# Altium PCB Aarons_MnDOT_Board_V1.1.PcbDoc (part 1 of 3)
Units mil, origin at the board's own origin, x right, y up, seen from the top; angles counter-clockwise.
Board outline 4500 x 2200 mil, 4 copper layers (Top Layer, Signal Layer 1, Signal Layer 2, Bottom Layer), stack 30.634 mil thick; 292 components, 149 nets, 764 pads, 182 vias.
Unrouted connection lines stored in the file: 2.
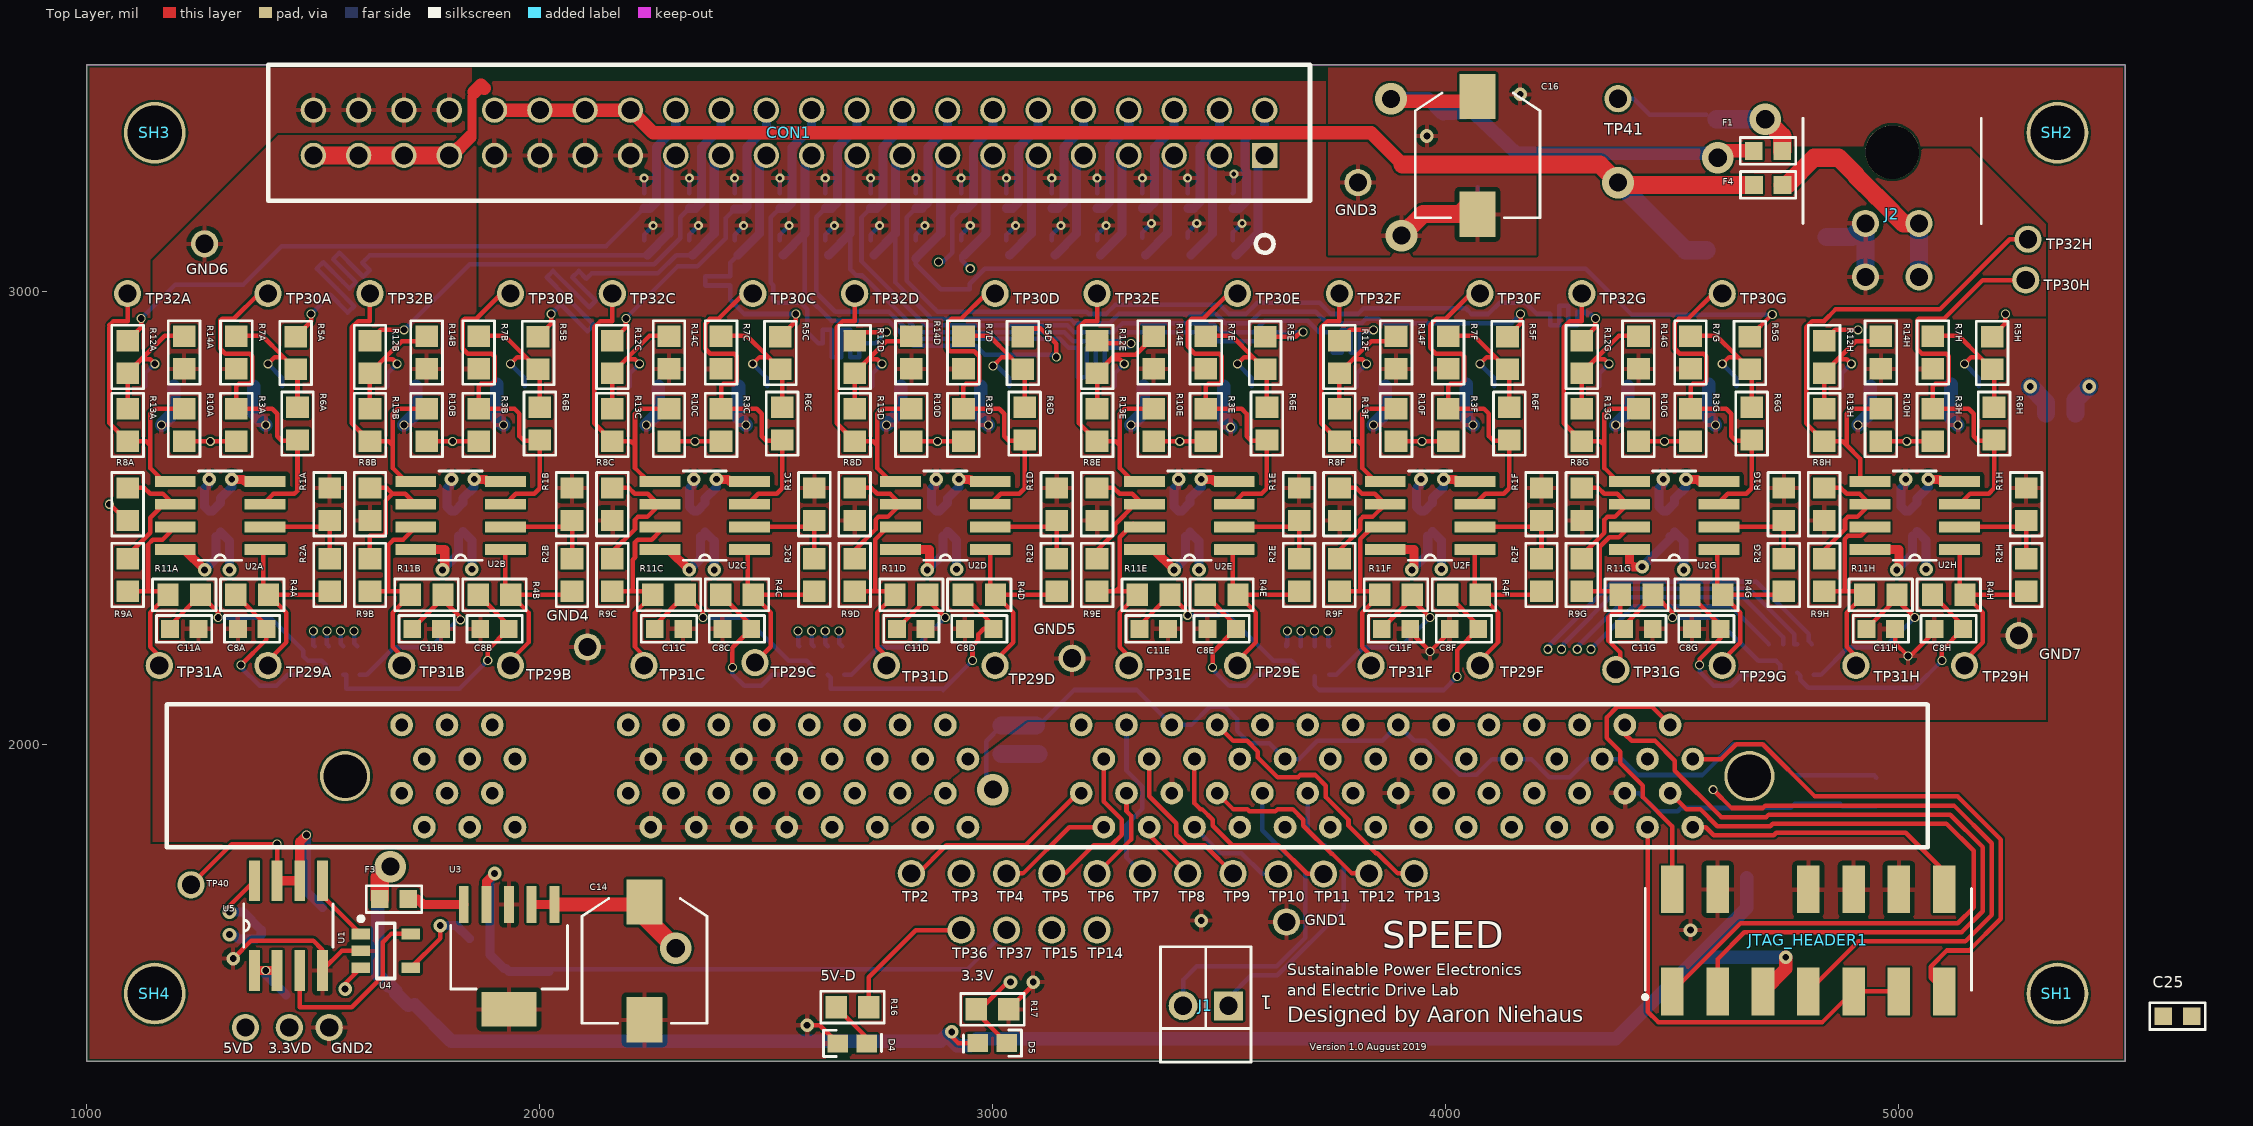
[diagram p0: Top Layer view]
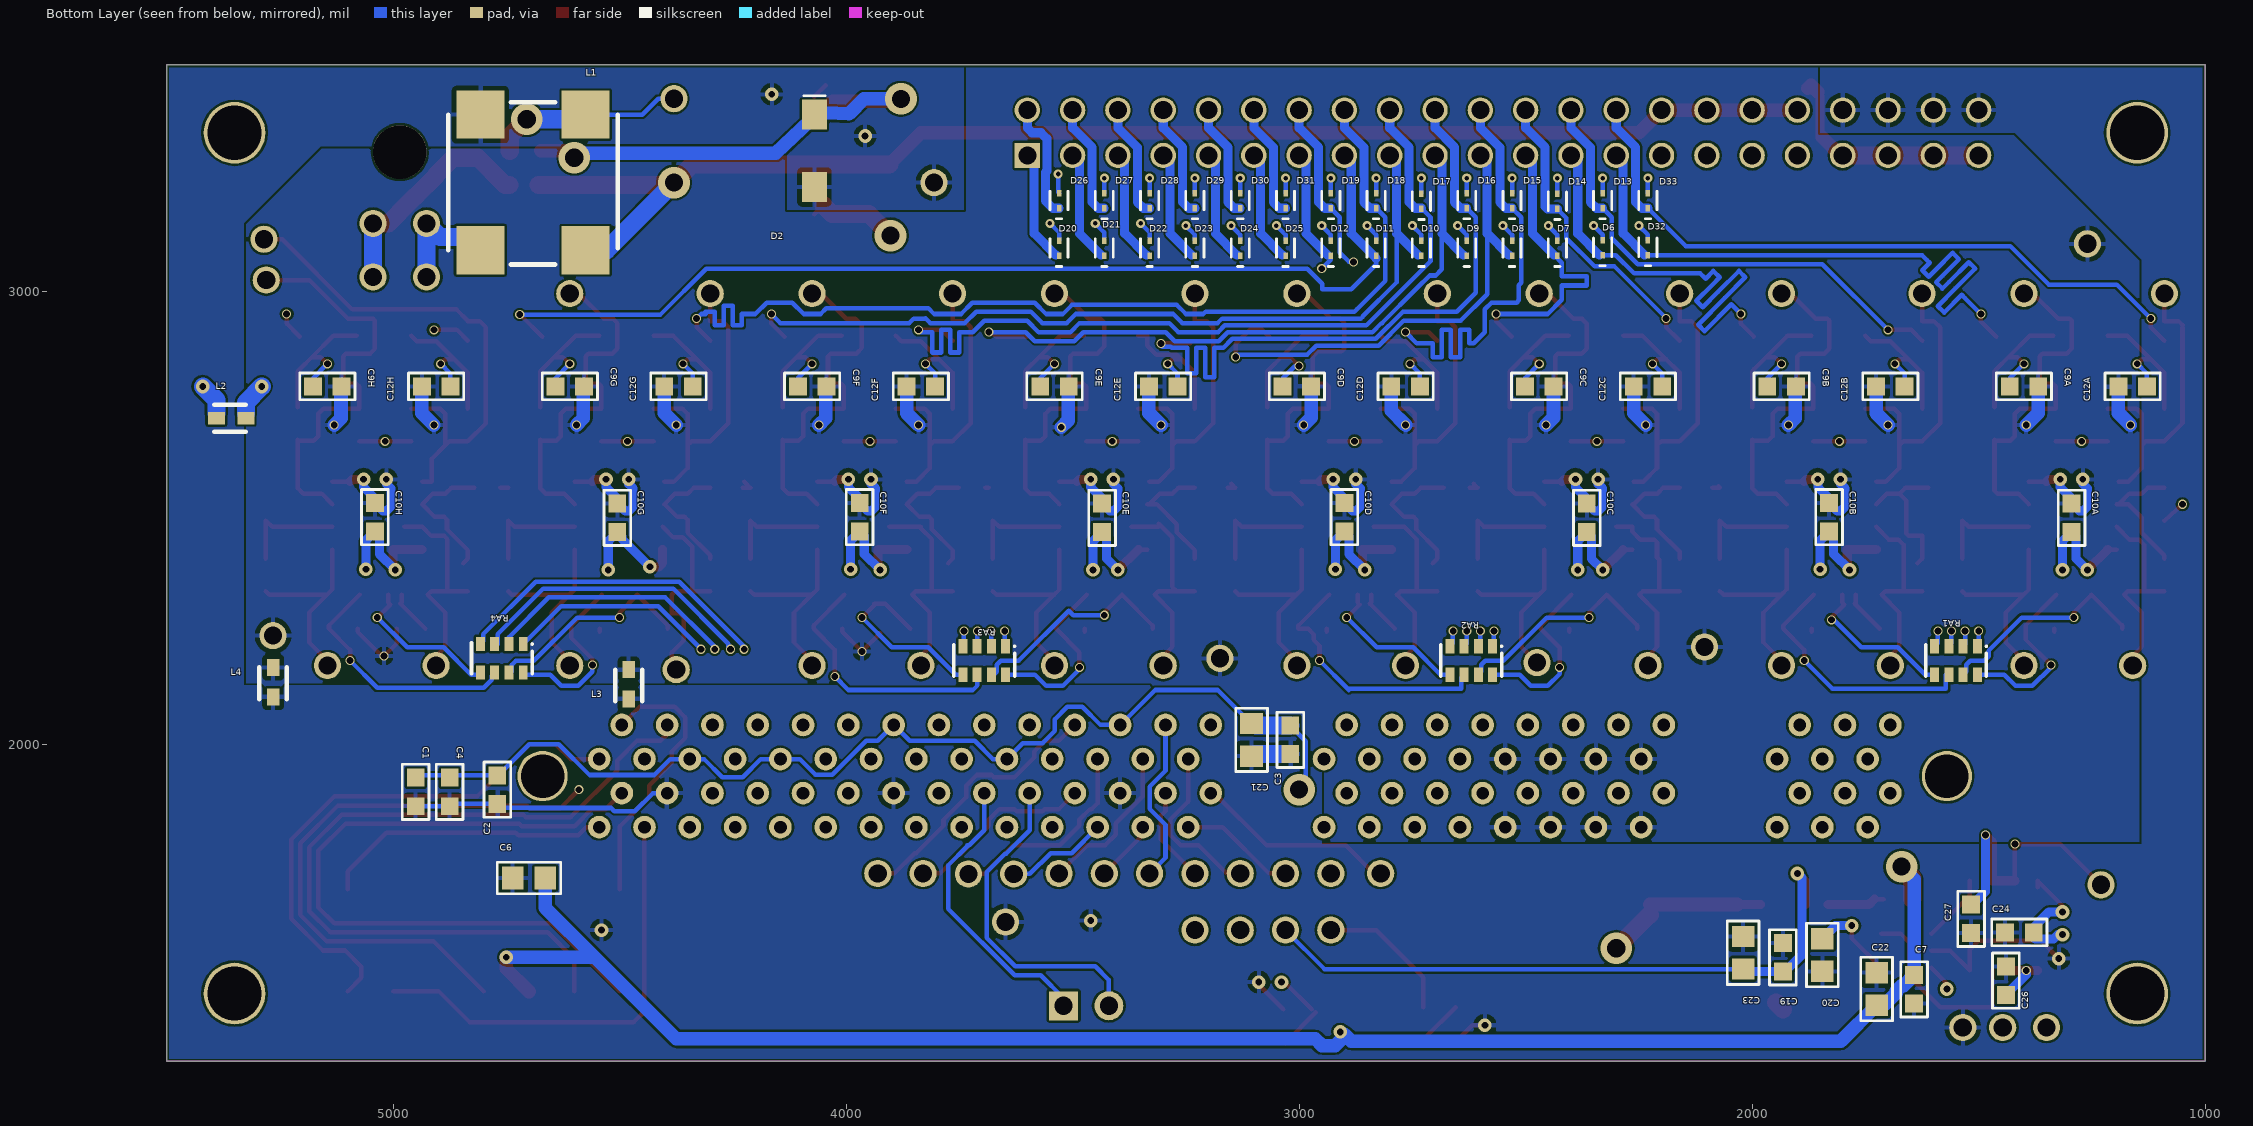
[diagram p1: Bottom Layer view, seen from below]
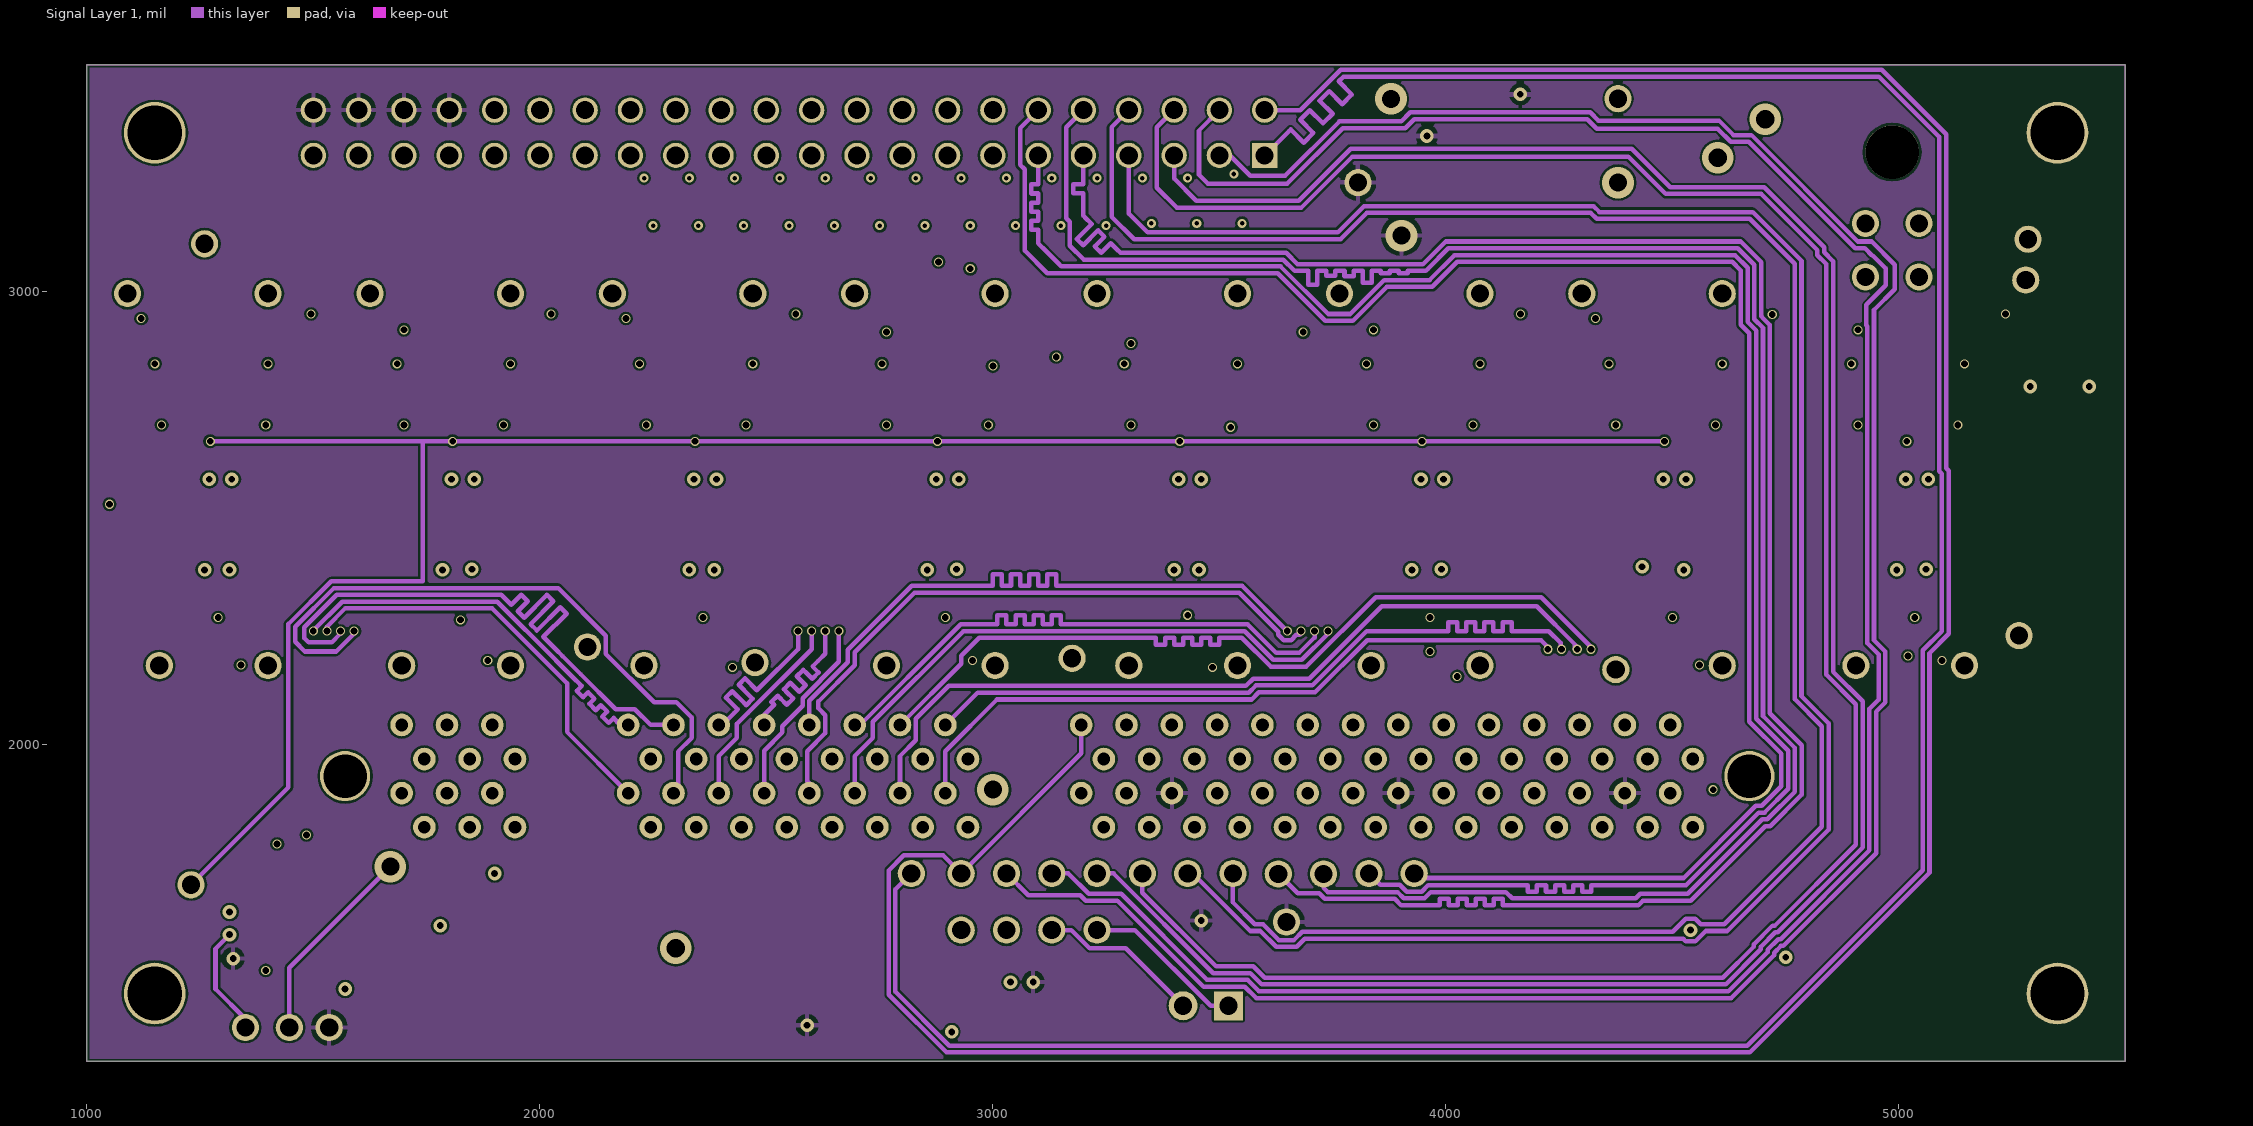
[diagram p2: Signal Layer 1]
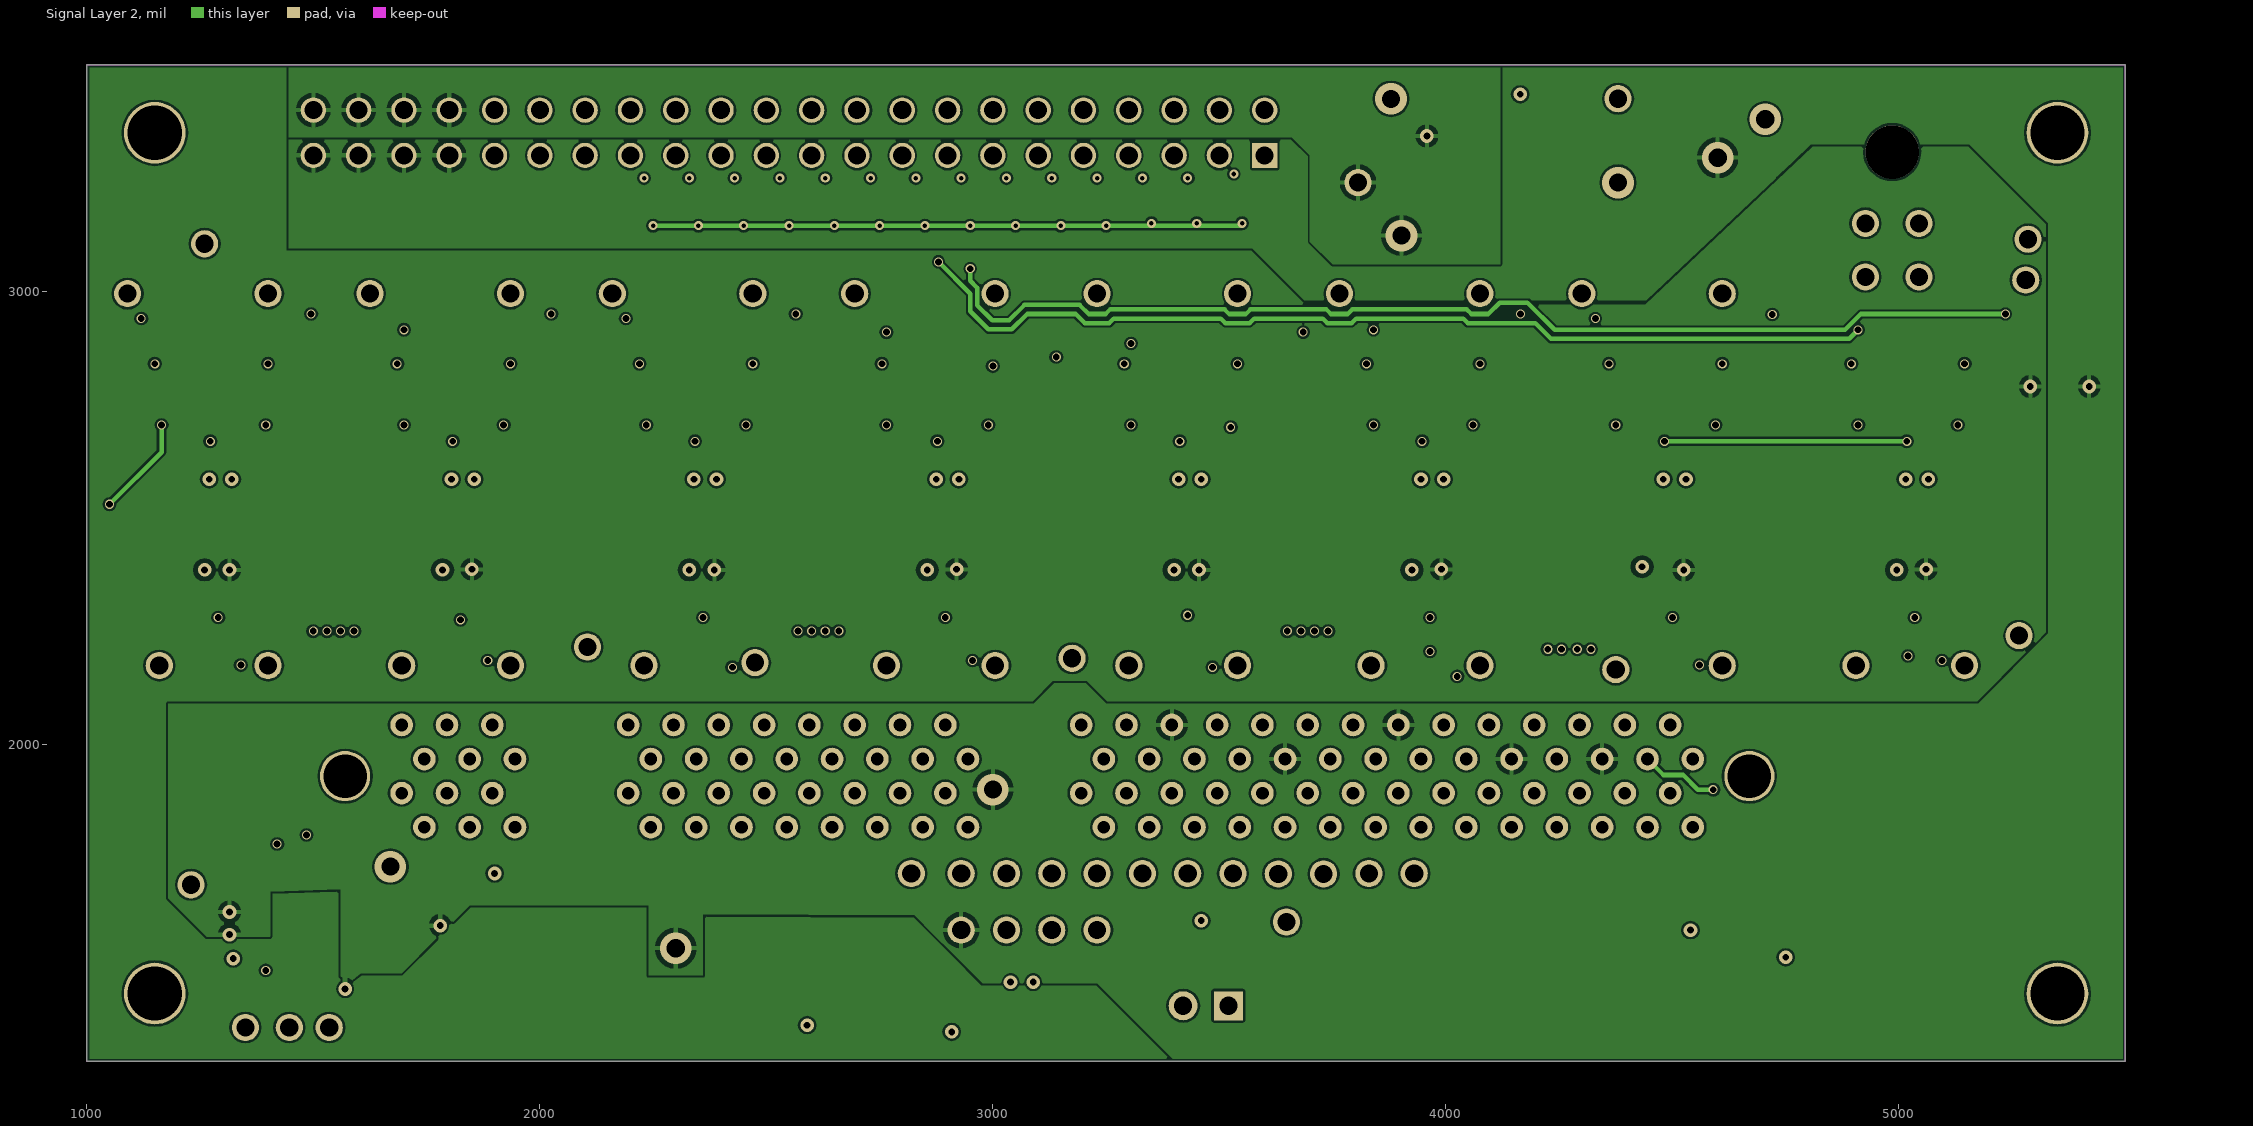
[diagram p3: Signal Layer 2]
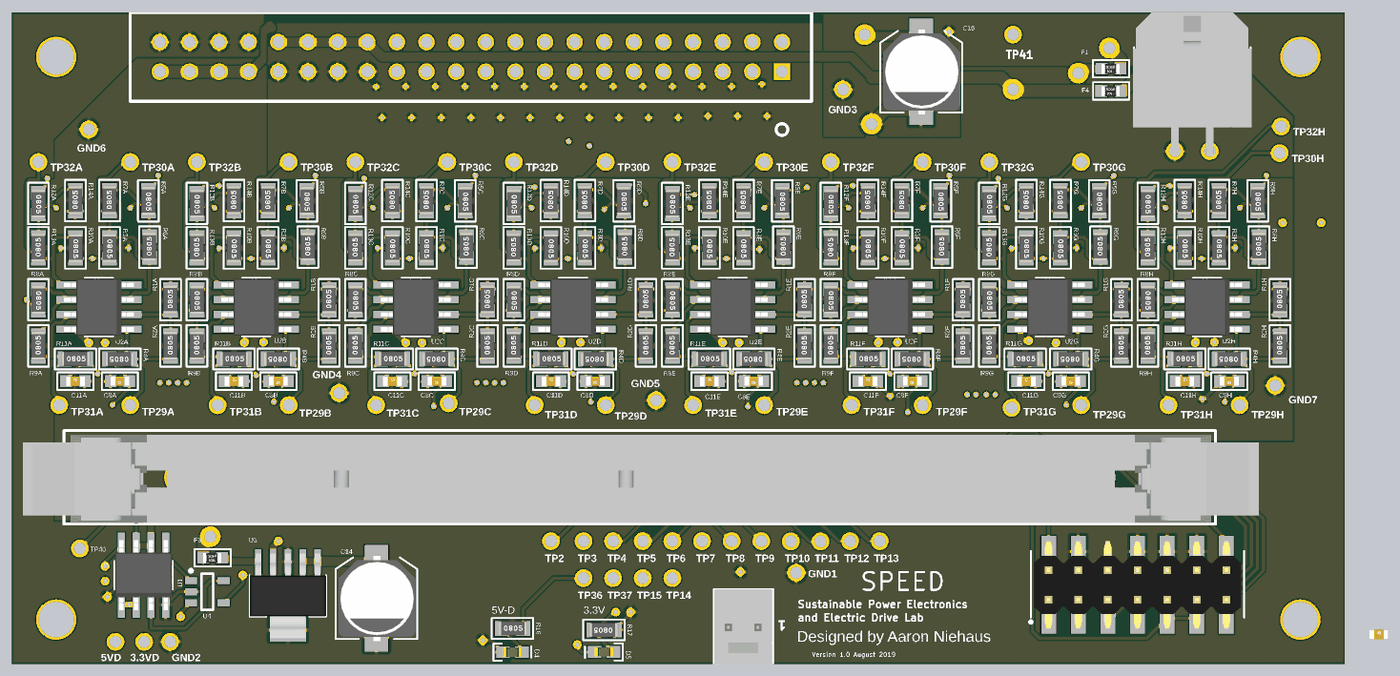
[diagram p6: 3D render of the assembled board from above, using the file's embedded part models]
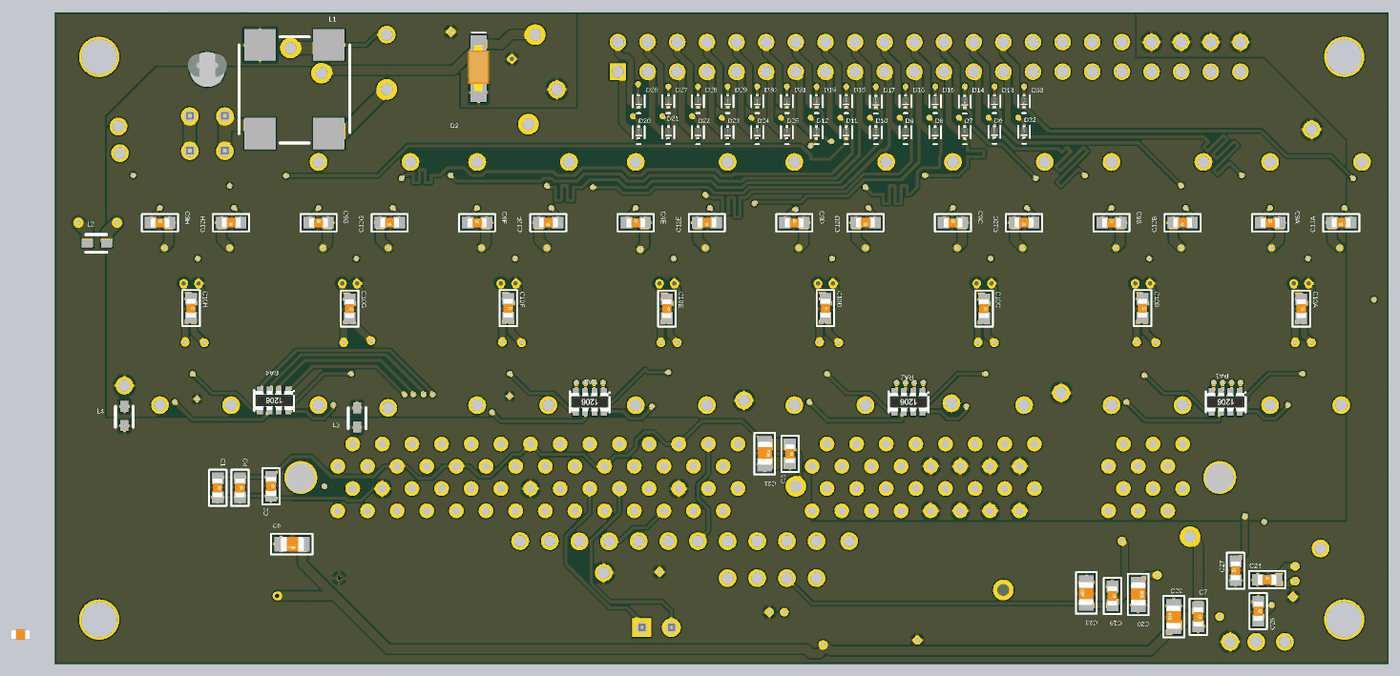
[diagram p7: 3D render of the assembled board from below, using the file's embedded part models]

## Layer stack, top to bottom
Top Solder: solder mask 0.4, Solder Resist, Dk 3.5
Top Layer: signal copper 1.4
Dielectric 1: core 10, FR-4, Dk 4.2
Signal Layer 1: signal copper 1.417
Dielectric 3: prepreg 5, Dk 4.2
Signal Layer 2: signal copper 1.417
Dielectric 7: core 10, Dk 4.2
Bottom Layer: signal copper 1.4
Bottom Solder: solder mask 0.4, Solder Resist, Dk 3.5

## Board outline
1000,1300 1000,3500 5500,3500 5500,1300

## Design rules (kind name [scope] priority, off if disabled: settings)
Clearance Clearance_1 [All] p1: gap=5 ignorepadtopadclearanceinfootprint=FALSE except(0: Arc-Hole Track-Hole SMDPad-Hole THPad-Hole Via-Hole Fill-Hole Poly-Hole Region-Hole Text-Hole)
HoleSize [All] p1: absolutevalues=TRUE maxlimit=120 minlimit=1 maxpercent=80.000 minpercent=20.000
MinimumSolderMaskSliver [All] p1: minsoldermaskwidth=2
NetAntennae [All] p1 off: netantennaetolerance=0
PolygonConnect [All] p1: connectstyle=Relief reliefconductorwidth=10 reliefentries=4 polygonreliefangle="90 Angle" airgapwidth=10
RoomDefinition "Voltage Reference" [InComponentClass('Voltage Reference')] p1: confinementstyle=ConfineIn formatcopy=TRUE lockcomponents=FALSE outline 5545,1360 5685,1360 5685,1505 5545,1505
RoomDefinition OP5 [InComponentClass('OP5')] p2: confinementstyle=ConfineIn formatcopy=FALSE lockcomponents=FALSE outline 3715,3055 3180,3055 3180,2120 3715,2120
RoomDefinition OP8 [InComponentClass('OP8')] p3: confinementstyle=ConfineIn formatcopy=TRUE lockcomponents=FALSE outline 5320,3150 4785,3150 4785,2120 5320,2120
RoomDefinition OP7 [InComponentClass('OP7')] p4: confinementstyle=ConfineIn formatcopy=FALSE lockcomponents=FALSE outline 4785,3055 4250,3055 4250,2120 4785,2120
RoomDefinition OP6 [InComponentClass('OP6')] p5: confinementstyle=ConfineIn formatcopy=TRUE lockcomponents=FALSE outline 4250,3055 3715,3055 3715,2120 4250,2120
RoomDefinition OP4 [InComponentClass('OP4')] p6: confinementstyle=ConfineIn formatcopy=TRUE lockcomponents=FALSE outline 3180,3055 2645,3055 2645,2120 3180,2120
RoomDefinition OP3 [InComponentClass('OP3')] p7: confinementstyle=ConfineIn formatcopy=FALSE lockcomponents=FALSE outline 2645,3055 2110,3055 2110,2120 2645,2120
RoomDefinition OP2 [InComponentClass('OP2')] p8: confinementstyle=ConfineIn formatcopy=TRUE lockcomponents=FALSE outline 2110,3055 1575,3055 1575,2120 2110,2120
RoomDefinition OP1 [InComponentClass('OP1')] p9: confinementstyle=ConfineIn formatcopy=FALSE lockcomponents=FALSE outline 1575,3055 1040,3055 1040,2120 1575,2120
RoutingVias [All] p1: holewidth=28 width=50 viastyle="Through Hole" minholewidth=28 minwidth=50 maxholewidth=28 maxwidth=50
SilkToSilkClearance [All] p1: silktosilkclearance=5
SilkToSolderMaskClearance [IsPad] p1: minsilkscreentomaskgap=5 clearancetoexposedcopper=TRUE
SolderMaskExpansion [All] p1: expansion=2
Width [All] p1: maxlimit=40 minlimit=10 preferedwidth=10 minimp=50.000000 maximp=50.000000 favimp=50.000000
25 further rules are at their usual default settings.
